# KiCad board SmallDSPMaxi.kicad_pcb (continued)
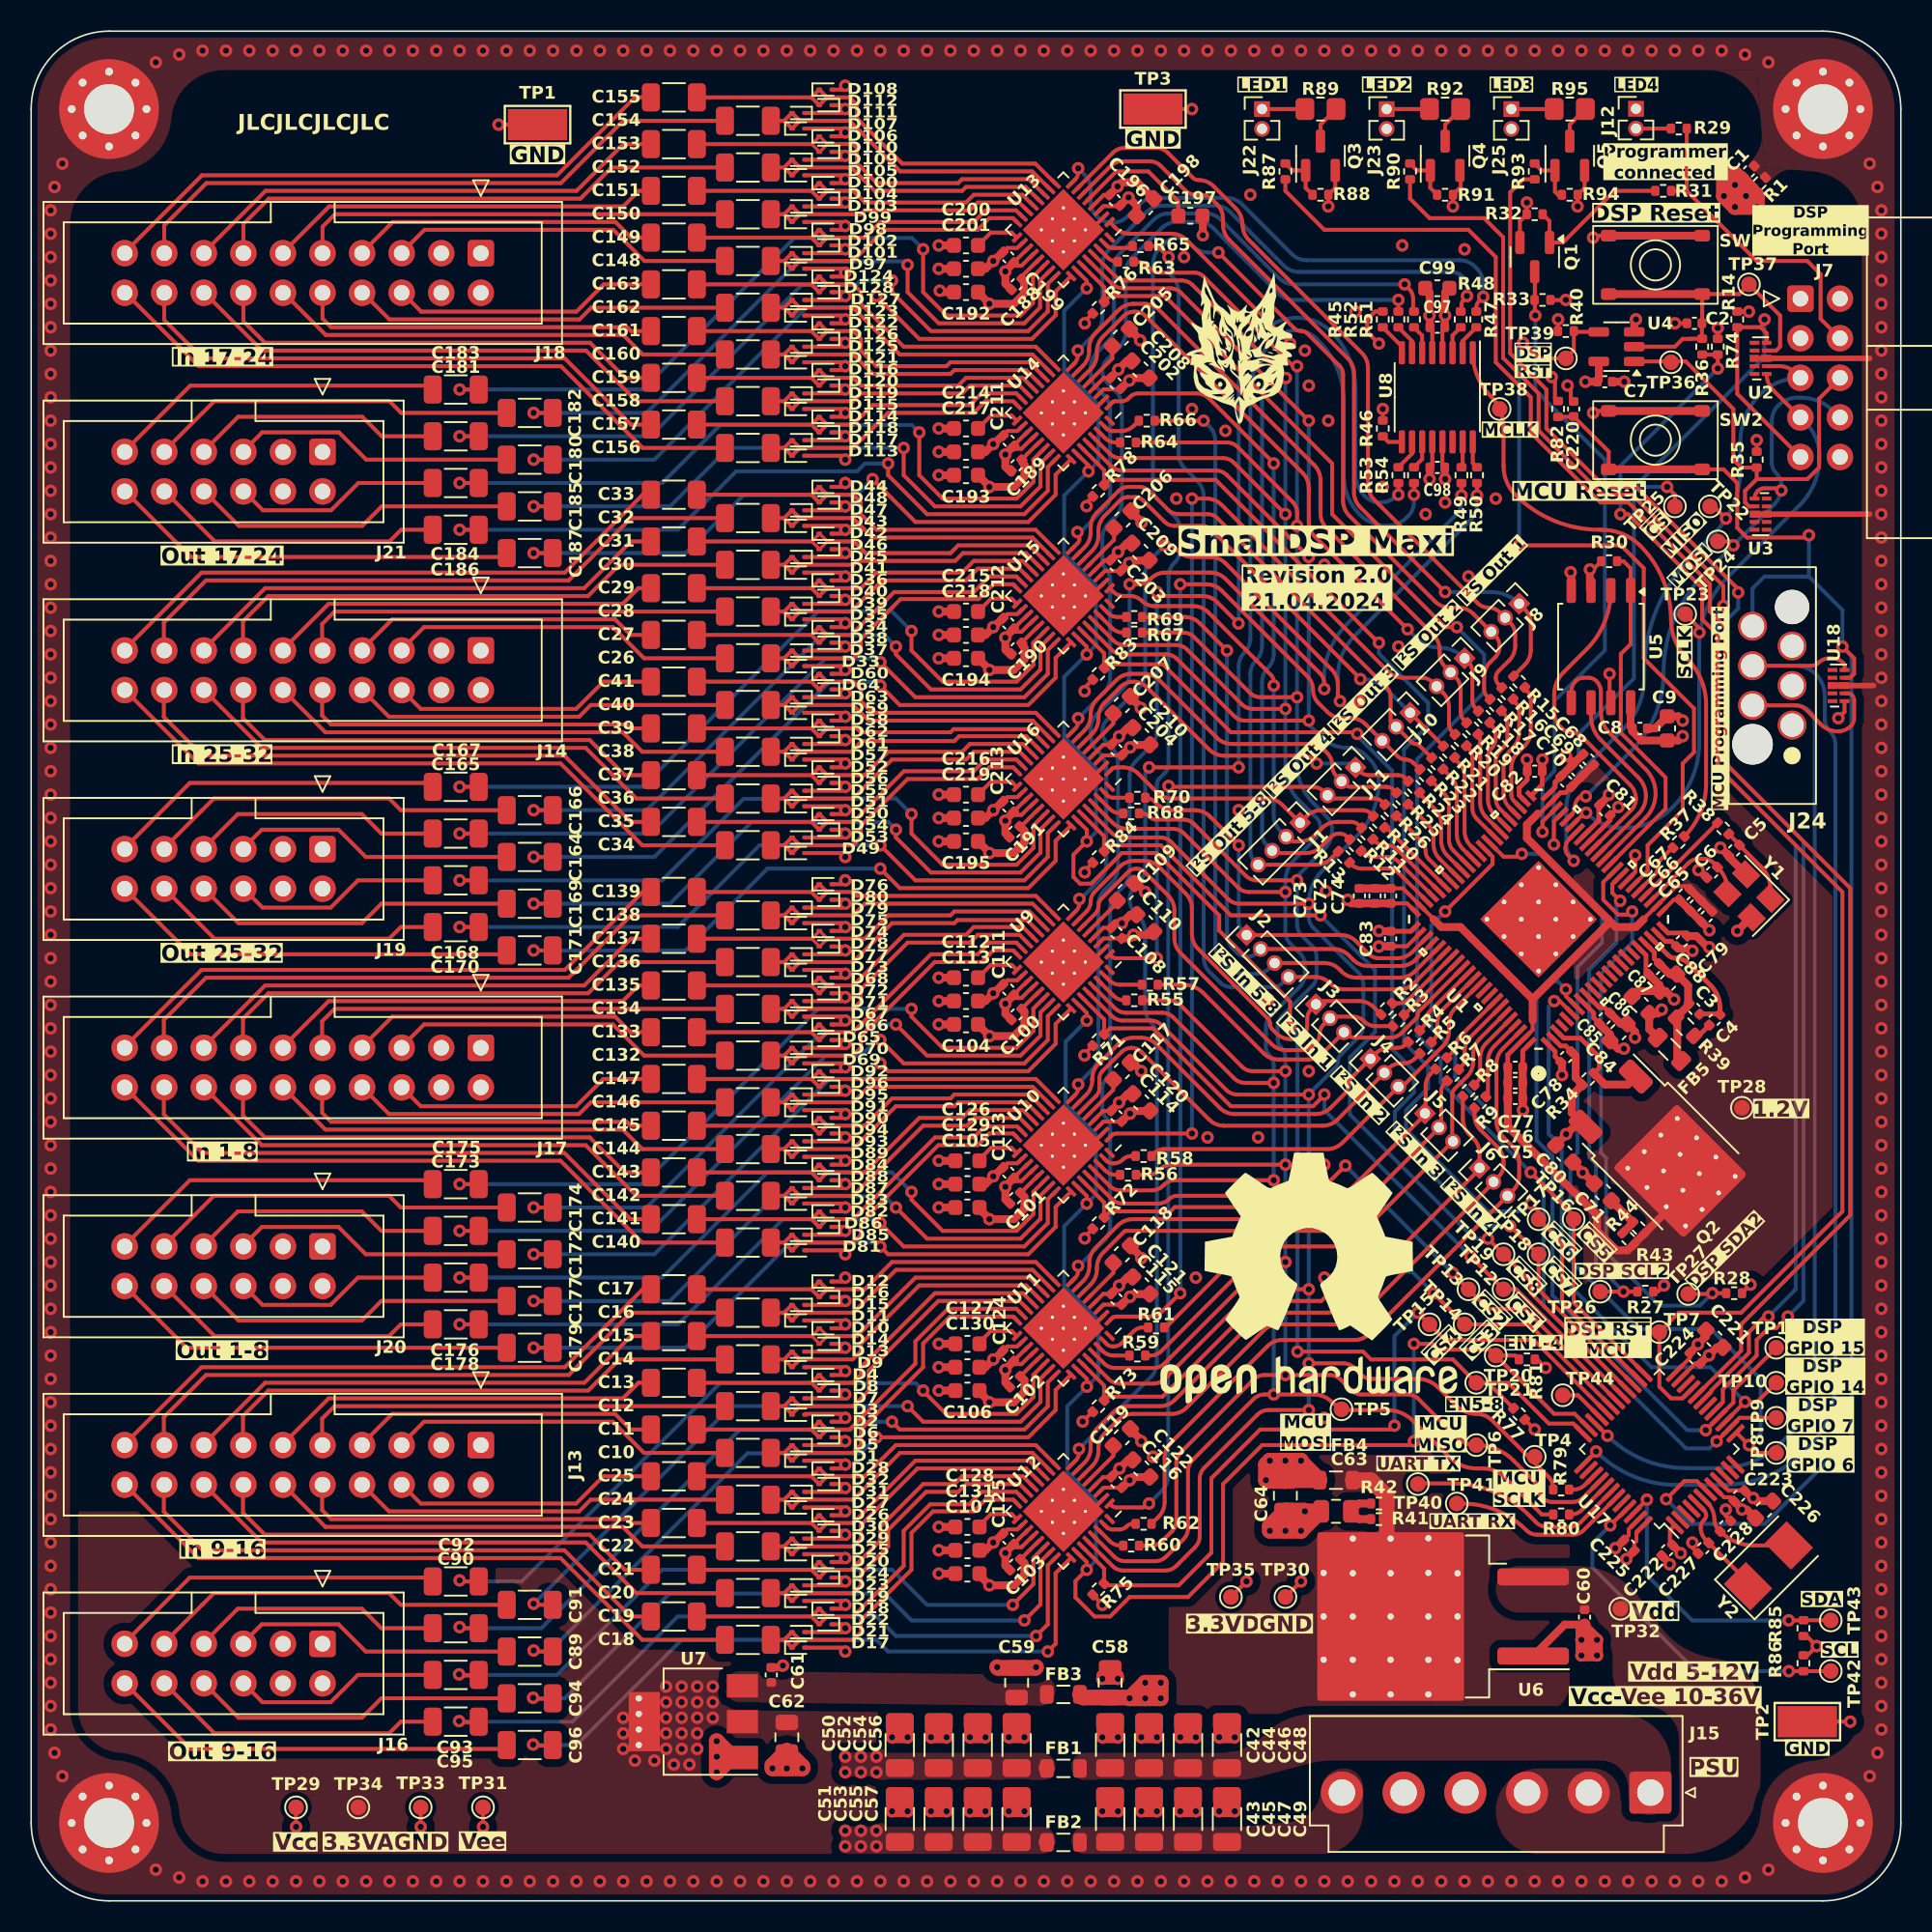
[diagram p0: board, top side]
## Routing (per net, layer and track width the routed paths; a pad name or vN(x,y) marks a point on that pad's centre or on a via; arc(x,y) is an arc through that point) (continued)
/MCU/SWDIO: length 74.4
  Top w0.25: J24.2 113.23,76.73 arc(113.61,76.65) 113.94,76.44 114.86,75.52 arc(115.36,75.18) 115.96,75.06 arc(116.41,75.15) 116.8,75.41 arc(116.95,75.63) 117,75.9 117,77.06 arc(116.96,77.24) 116.86,77.39 arc(116.74,77.47) 116.59,77.5 U18.2 ; v1(101.17,29.85) U17.34
  Bottom w0.25: J24.2 113.24,76.73 arc(113.74,76.63) 114.16,76.35 arc(114.4,76) 114.48,75.58 114.48,33.77 arc(114.08,31.74) 112.92,30.01 112.3,29.39 arc(110.51,28.2) 108.4,27.78 106.19,27.78 arc(103.47,28.31) v1(101.17,29.85)
/MCU/~{RST}: length 108.2
  Top w0.25: U17.7 106.91,26.94 106.1,26.94 v1(104.94,25.78) ; SW2.2 108.62,91.88 109.5,91 109.5,88.12 110.12,87.5 113.95,87.5 v1(114.1,87.65) ; v1(116.25,80.5) 117,79.75 117,78.75 116.75,78.5 U18.4 ; SW2.2 101.25,93.02 99.02,95.25 98.01,95.25
  Top w0.5: SW2.2 SW2.2
  Bottom w0.25: J24.6 110.48,84.23 111.25,85 114.1,85 ; v1(114.1,87.65) 114.1,85 ; 114.1,85 116.25,82.85 v1(116.25,80.5) 116.83,79.92 116.83,29.75 111.27,24.19 106.53,24.19 v1(104.94,25.78)
/PRGM MISO: length 42.9
  Top w0.25: TP22.1 107.99,89.5 v1(108.78,88.72) ; J7.5 113.22,98.08 arc(112.76,98.39) 112.21,98.5 U2.2 ; v1(99,66.75) 98.65,67.11 arc(98.52,67.3) 98.47,67.54 arc(98.54,67.87) 98.73,68.16 U1.38
  Bottom w0.25: v1(99,66.75) arc(98.65,67.29) 98.52,67.92 98.52,69.98 arc(98.81,71.43) 99.63,72.66 102.16,75.19 arc(103.17,76.71) 103.53,78.5 103.53,78.84 arc(104.34,82.93) 106.66,86.4 107.98,87.72 arc(109.25,89.63) 109.7,91.88 109.7,93.65 arc(110.03,95.29) 110.95,96.67 arc(112.15,97.47) J7.5
/PRGM MOSI: length 40
  Top w0.25: 99.52,70.89 v1(99.78,70.89) 99.47,70.89 arc(99.43,70.88) 99.4,70.86 99.3,70.76 arc(99.13,70.51) 99.07,70.21 arc(99.02,69.94) 98.87,69.72 U1.40 ; TP24.1 109,87.25 v1(109.25,87) ; v1(112.33,90.53) 112.2,90.66 111.22,90.66 arc(111.01,90.62) 110.83,90.5 110.81,90.48 arc(110.66,90.26) U3.1
  Bottom w0.25: v1(99.78,70.89) 102.68,73.79 arc(104.23,76.1) 104.77,78.83 arc(105.45,82.24) 107.38,85.13 v1(109.25,87) 111.85,89.6 arc(112.21,90.14) 112.34,90.79 arc(112.25,91.25) 111.99,91.64 arc(111.79,91.94) 111.72,92.29 111.72,94.99 arc(111.82,95.52) 112.12,95.96 arc(112.7,96.35) 113.37,96.48 113.56,96.48 arc(114.73,96.25) 115.72,95.58 J7.8
/PRGM SCLK: length 41.2
  Top w0.25: TP23.1 107.07,81.68 v1(107.07,81.41) ; U1.39 99.69,69.83 v1(99.8,69.83) ; J7.7 111.83,96.93 arc(111.5,97.42) U2.1
  Bottom w0.25: J7.7 113.87,94.89 arc(114.55,93.87) 114.79,92.68 arc(114.45,91) 113.5,89.57 108.86,84.93 arc(107.53,82.94) 107.06,80.59 107.06,74.34 arc(106.61,72.08) 105.33,70.16 arc(103.88,69.19) 102.17,68.85 arc(100.89,69.1) v1(99.8,69.83)
/~{CS Codec 1}: length 47.3
  Top w0.25: v1(83,51.75) 83,51.72 82.28,51 77,51 72,56 69.25,56 R71.2 68.86,56.58 U9.27 ; U17.29 95.31,39.25 TP12.1 v1(92.38,41.37)
  Bottom w0.25: v1(83,51.75) 83,50.75 v1(92.38,41.37)
/~{CS Codec 2}: length 43.9
  Top w0.25: v1(84.35,47.19) 83.06,45.9 83.06,45.13 82.46,44.53 73.4,44.53 73.12,44.25 69.25,44.25 R72.2 68.86,44.83 U10.27 ; v1(91.24,40.3) 91.24,40.26 TP13.1 93.5,38 95.85,38 U17.30
  Bottom w0.25: v1(84.35,47.19) v1(91.24,40.3)
/~{CS Codec 3}: length 42.5
  Top w0.25: U11.27 68.86,33.08 R73.2 69.11,32.36 72.61,32.36 78.75,38.5 82.81,38.5 v1(84.73,40.42) ; U17.31 96.15,37 TP14.1 v1(90,39)
  Bottom w0.25: v1(84.73,40.42) 84.78,40.38 88.62,40.38 v1(90,39)
/~{CS Codec 4}: length 51.1
  Top w0.25: v1(87.5,30.5) 87.25,30.25 78.88,30.25 75.75,27.12 75.75,22.35 73.65,20.25 68.97,20.25 ; v1(89,37.75) 90.75,36 96.44,36 U17.32 ; U12.27 68.86,21.33 R75.2
  Bottom w0.25: v1(89,37.75) 87.5,36.25 v1(87.5,30.5)
/~{CS Codec 5}: length 92.9
  Top w0.25: U17.25 99,38.39 TP16.1 99,44 v1(96.25,46.75) ; U13.27 68.86,103.58 R76.2 69.25,103 72.75,103 83.5,92.25 83.5,89 90.75,81.75 v1(91.5,81.75)
  Bottom w0.25: v1(96.25,46.75) 90.46,52.54 90.46,54.04 88.95,55.55 88.95,73.27 93.25,77.57 93.25,80 v1(91.5,81.75)
/~{CS Codec 6}: length 84
  Top w0.25: U14.27 68.86,91.83 R78.2 69.2,91.2 76.02,91.2 86.47,80.75 v1(86.5,80.75) ; v1(96.25,44.75) 96.75,44.25 TP17.1 98.25,42.25 98.25,38.43 U17.26
  Bottom w0.25: v1(86.5,80.75) 86.5,80.05 89.66,76.89 89.66,75.45 88.11,73.9 88.11,55.09 89.66,53.54 89.66,52.16 88.25,50.75 88.25,49.5 93.5,44.25 95.75,44.25 v1(96.25,44.75)
/~{CS Codec 7}: length 72.2
  Top w0.25: U17.27 96.75,39.22 96.75,41.48 v1(94.92,43.31) ; U15.27 68.86,80.08 R83.2 69.11,79.36 72.64,79.36 77,75 85.01,75 v1(85.11,74.9)
  Bottom w0.25: v1(85.11,74.9) 85.11,74.77 87.35,72.53 87.35,54.67 88.75,53.27 88.75,51.89 87.53,50.67 87.53,48.96 93.18,43.31 v1(94.92,43.31)
/~{CS Codec 8}: length 59.3
  Top w0.25: U16.27 68.86,68.33 R84.2 69.25,67.75 72.5,67.75 77,63.25 v1(82.75,63.25) ; v1(93.5,42.5) TP19.1 96.25,39.75 96.25,39.02 U17.28
  Bottom w0.25: v1(93.5,42.5) 92.61,42.5 84.64,50.47 84.64,54.14 86.25,55.75 86.25,59.75 v1(82.75,63.25)
/~{CS EEPROM}: length 23
  Top w0.25: U1.32 104.9,70.09 104.9,72.1 102.03,74.97 102.03,80.03 102.66,80.66 U5.1 102.66,85.52 102.2,85.98 R30.2
/~{DSP RST MCU}: length 85.8
  Top w0.25: v1(102,89) 102.5,89 107.25,84.25 107.25,82.25 108.25,81.25 108.25,72.75 116.25,64.75 116.25,44.25 109.75,37.75 105.75,37.75 TP7.1 104.5,33 105.25,32.25 105.98,32.25 U17.21 ; v1(108.25,98.35) R74.1 R36.1
  Bottom w0.25: v1(108.25,98.35) 102,92.1 v1(102,89)
/~{DSP RST PGRM}: length 26.5
  Top w0.25: 110.75,91.25 114,91.25 114.75,92 114.75,96.41 J7.6 ; 110.75,91.25 110,90.5 110,89.75 110.25,89.5 U3.2 ; 110.75,91.25 R35.1 109.76,91.99 109.25,92.5 109.25,95.75 106.2,98.8 U4.1
/~{DSP RST}: length 51.8
  Top w0.25: U4.4 99.06,100.7 R40.1 99.01,99.51 TP39.1 96.75,99 v1(95.75,100) ; v1(95.5,87) 102.03,87 103.5,85.53 103.5,79.75 106.73,76.52 106.73,73.73 106,73 106,70 103.75,67.75 103.75,66.11 U1.28
  Bottom w0.25: v1(95.5,87) 95.5,99.75 v1(95.75,100)
/~{PRGM CS}: length 58.4
  Top w0.25: J7.9 109.5,96.72 R14.2 109.51,101 111,101 ; U1.41 97.73,69.28 v1(97.73,67.8) ; U2.5 111.39,100.61 111,101 ; TP25.1 105.5,90.25 v1(105,90.75) ; 111,101 111.25,101.25 v1(111.25,101.5)
  Bottom w0.25: 102.86,90.71 102.86,78.45 99.32,74.91 99.32,73.15 97.73,71.56 v1(97.73,67.8) ; 102.86,90.71 102.9,90.75 v1(105,90.75) ; 102.86,90.71 111.25,99.1 v1(111.25,101.5)
Earth_Protective: length 17.2
  Top w0.3: U2.3 U2.8
  Top w0.35: 118,99 U2.3 ; U18.3 118.25,78 ; U3.3 118,89
  Top w0.4: U18.8 116.15,78
  vias: v1(1.25,108.5) v1(1.25,107) v1(1.25,105.5) v1(1.25,104) v1(1.25,102.5) v1(1.25,101) v1(1.25,99.5) v1(1.25,98) v1(1.25,96.5) v1(1.25,95) v1(1.25,93.5) v1(1.25,92) v1(1.25,90.5) v1(1.25,89) v1(1.25,87.5) v1(1.25,86) v1(1.25,84.5) v1(1.25,83) v1(1.25,81.5) v1(1.25,80) v1(1.25,78.5) v1(1.25,77) v1(1.25,75.5) v1(1.25,74) v1(1.25,72.5) v1(1.25,71) v1(1.25,69.5) v1(1.25,68) v1(1.25,66.5) v1(1.25,65) v1(1.25,63.5) v1(1.25,62) v1(1.25,60.5) v1(1.25,59) v1(1.25,57.5) v1(1.25,56) v1(1.25,54.5) v1(1.25,53) v1(1.25,51.5) v1(1.25,50) v1(1.25,48.5) v1(1.25,47) v1(1.25,45.5) v1(1.25,44) v1(1.25,42.5) v1(1.25,41) v1(1.25,39.5) v1(1.25,38) v1(1.25,36.5) v1(1.25,35) v1(1.25,33.5) v1(1.25,32) v1(1.25,30.5) v1(1.25,29) v1(1.25,27.5) v1(1.25,26) v1(1.25,24.5) v1(1.25,23) v1(1.25,21.5) v1(1.25,20) v1(1.25,18.5) v1(1.25,17) v1(1.25,15.5) v1(1.25,14) v1(1.25,12.5) v1(1.25,11) v1(1.5,110) v1(1.5,9.5) v1(2,111.5) v1(2,8) v1(8,118) v1(8,2) v1(9.5,118.5) v1(9.5,1.5) v1(11,118.75) v1(11,1.25) v1(12.5,118.75) v1(12.5,1.25) v1(14,118.75) v1(14,1.25) v1(15.5,118.75) v1(15.5,1.25) v1(17,118.75) v1(17,1.25) v1(18.5,118.75) v1(18.5,1.25) v1(20,118.75) v1(20,1.25) v1(21.5,118.75) v1(21.5,1.25) v1(23,118.75) v1(23,1.25) v1(24.5,118.75) v1(24.5,1.25) v1(26,118.75) v1(26,1.25) v1(27.5,118.75) v1(27.5,1.25) v1(29,118.75) v1(29,1.25) v1(30.5,118.75) v1(30.5,1.25) v1(32,118.75) v1(32,1.25) v1(33.5,118.75) v1(33.5,1.25) v1(35,118.75) v1(35,1.25) v1(36.5,118.75) v1(36.5,1.25) v1(38,118.75) v1(38,1.25) v1(39.5,118.75) v1(39.5,1.25) v1(41,118.75) v1(41,1.25) v1(42.5,118.75) v1(42.5,1.25) v1(44,118.75) v1(44,1.25) v1(45.5,118.75) v1(45.5,1.25) v1(47,118.75) v1(47,1.25) v1(48.5,118.75) v1(48.5,1.25) v1(50,118.75) v1(50,1.25) v1(51.5,118.75) v1(51.5,1.25) v1(53,118.75) v1(53,1.25) v1(54.5,118.75) v1(54.5,1.25) v1(56,118.75) v1(56,1.25) v1(57.5,118.75) v1(57.5,1.25) v1(59,118.75) v1(59,1.25) v1(60.5,118.75) v1(60.5,1.25) v1(62,118.75) v1(62,1.25) v1(63.5,118.75) v1(63.5,1.25) v1(65,118.75) v1(65,1.25) v1(66.5,118.75) v1(66.5,1.25) v1(68,118.75) v1(68,1.25) v1(69.5,118.75) v1(69.5,1.25) v1(71,118.75) v1(71,1.25) v1(72.5,118.75) v1(72.5,1.25) v1(74,118.75) v1(74,1.25) v1(75.5,118.75) v1(75.5,1.25) v1(77,118.75) v1(77,1.25) v1(78.5,118.75) v1(78.5,1.25) v1(80,118.75) v1(80,1.25) v1(81.5,118.75) v1(81.5,1.25) v1(83,118.75) v1(83,1.25) v1(84.5,118.75) v1(84.5,1.25) v1(86,118.75) v1(86,1.25) v1(87.5,118.75) v1(87.5,1.25) v1(89,118.75) v1(89,1.25) v1(90.5,118.75) v1(90.5,1.25) v1(92,118.75) v1(92,1.25) v1(93.5,118.75) v1(93.5,1.25) v1(95,118.75) v1(95,1.25) v1(96.5,118.75) v1(96.5,1.25) v1(98,118.75) v1(98,1.25) v1(99.5,118.75) v1(99.5,1.25) v1(101,118.75) v1(101,1.25) v1(102.5,118.75) v1(102.5,1.25) v1(104,118.75) v1(104,1.25) v1(105.5,118.75) v1(105.5,1.25) v1(107,118.75) v1(107,1.25) v1(108.5,118.75) v1(108.5,1.25) v1(110,118.5) v1(110,1.5) v1(111.5,118) v1(111.5,2) v1(118,111.5) v1(118,8) v1(118.5,110) v1(118.5,9.5) v1(118.75,108.5) v1(118.75,107) v1(118.75,105.5) v1(118.75,104) v1(118.75,102.5) v1(118.75,101) v1(118.75,99.5) v1(118.75,98) v1(118.75,96.5) v1(118.75,95) v1(118.75,93.5) v1(118.75,92) v1(118.75,90.5) v1(118.75,89) v1(118.75,87.5) v1(118.75,86) v1(118.75,84.5) v1(118.75,83) v1(118.75,81.5) v1(118.75,80) v1(118.75,78.5) v1(118.75,77) v1(118.75,75.5) v1(118.75,74) v1(118.75,72.5) v1(118.75,71) v1(118.75,69.5) v1(118.75,68) v1(118.75,66.5) v1(118.75,65) v1(118.75,63.5) v1(118.75,62) v1(118.75,60.5) v1(118.75,59) v1(118.75,57.5) v1(118.75,56) v1(118.75,54.5) v1(118.75,53) v1(118.75,51.5) v1(118.75,50) v1(118.75,48.5) v1(118.75,47) v1(118.75,45.5) v1(118.75,44) v1(118.75,42.5) v1(118.75,41) v1(118.75,39.5) v1(118.75,38) v1(118.75,36.5) v1(118.75,35) v1(118.75,33.5) v1(118.75,32) v1(118.75,30.5) v1(118.75,29) v1(118.75,27.5) v1(118.75,26) v1(118.75,24.5) v1(118.75,23) v1(118.75,21.5) v1(118.75,20) v1(118.75,18.5) v1(118.75,17) v1(118.75,15.5) v1(118.75,14) v1(118.75,12.5) v1(118.75,11)
Net-(C2-Pad1): length 22.5
  Top w0.25: U4.2 105.5,99.75 106,100.25 106.5,100.25 106.51,100.26 R36.2 107.23,100.28 C2.1 107.25,101.27 SW1.2 109.62,103.12 TP37.1 112.25,101.75 112.25,99.75 112,99.5 U2.4
  Top w0.5: SW1.2 SW1.2
Net-(C4-Pad2): length 1.3
  Top w0.3: R39.1 107.02,55.52 C4.2
Net-(C5-Pad1): length 5.1
  Top w0.25: R38.2 109.64,67.79 ; Y1.1 111.63,64.94 arc(111.48,65.71) 111.04,66.36 C5.1
Net-(C63-Pad1): length 3
  Top w0.5: R42.2 85.2,25.5 C63.1 85.2,24.5 R41.2
Net-(C71-Pad1): length 2.9
  Top w0.5: 102.81,43.53 R43.2 ; C71.1 R44.2
Net-(J12-Pin_2): length 2.2
  Top w0.25: R29.2 103.02,113.75 103,113.73
Net-(J22-Pin_1): length 2.7
  Top w0.25: J22.1 R89.1
Net-(J23-Pin_1): length 3
  Top w0.25: R92.1 J23.1 87.25,115
Net-(J25-Pin_1): length 2.5
  Top w0.25: 97.25,115 J25.1 ; R95.1 97.5,115
Net-(Q1-D): length 41.7
  Top w0.25: v1(97,68.61) 97,69.26 U1.42 ; v1(96.54,101.75) 96.51,101.78 96.51,104.55 Q1.3
  Bottom w0.25: v1(97,68.61) 97,71.75 97.78,72.53 97.78,77.03 101,80.25 101,92.5 96.54,96.96 v1(96.54,101.75) 96.54,102.04
Net-(Q1-G): length 10.4
  Top w0.25: 97.63,106.26 Q1.1 ; Q1.1 98.31,106.44 101.62,109.75 R31.1 ; Q1.1 97.45,107.81 R32.2
Net-(Q2-B): length 7.8
  Top w0.3: R34.2 100.64,53.45 100.64,54.16 99.43,55.37 98.37,55.37 U1.3
  Top w0.5: R34.2 101.01,52.39 102.48,52.39 Q2.1
Net-(Q3-D): length 2.5
  Top w0.25: R89.2 82.75,114 Q3.3
Net-(Q3-G): length 3.2
  Top w0.25: R88.1 81.8,109.94 Q3.1 80.95,111.06 R87.2
Net-(Q4-D): length 2.5
  Top w0.25: Q4.3 90.75,114 R92.2
Net-(Q4-G): length 3.2
  Top w0.25: R91.1 89.8,109.94 Q4.1 88.95,111.06 R90.2
Net-(Q5-D): length 2.5
  Top w0.25: Q5.3 98.75,114 R95.2
Net-(Q5-G): length 2.8
  Top w0.25: R93.2 96.95,111.06 Q5.1 ; R94.1 98,109.5 97.8,109.7 97.8,110.51
Net-(U1A-MCLK_Out): length 3.6
  Top w0.25: U1.27 104.19,65.85 arc(104.35,66.08) 104.4,66.34 104.4,66.36 arc(104.45,66.63) 104.61,66.86 105.34,67.59
Net-(U1A-PLLFlt): length 8.4
  Top w0.3: C3.2 107.1,56.92 108.36,56.92 C4.1 108.39,57.32 arc(108.24,58.09) 107.8,58.73 106.38,60.16 arc(106,60.41) 105.55,60.5 arc(105.28,60.55) 105.05,60.71 U1.20
Net-(U1A-Xtal_In): length 7.4
  Top w0.25: Y1.3 108.87,64.87 arc(108.72,65.64) 108.29,66.29 C6.1 ; U1.25 106.36,66.6 arc(106.68,66.81) 107.06,66.89 107.3,66.89 arc(107.68,66.81) 108,66.6 108.23,66.37
Net-(U1A-Xtal_Out): length 6.6
  Top w0.25: U1.26 108.23,69.18
Net-(U1B-M_SCL2): length 31.3
  Top w0.25: v1(101.99,64.19) 101.48,64.69 101.48,65.26 U1.30 ; R27.2 v1(102.2,39.1) TP26.1
  Bottom w0.25: v1(101.99,64.19) 101.75,63.95 101.75,61.5 100,59.75 100,47.72 100.43,47.3 100.43,40.87 v1(102.2,39.1)
Net-(U1B-M_SDA2): length 38.5
  Top w0.25: U1.31 100.9,65.38 100.9,64.25 101.85,63.3 102.56,63.3 v1(102.76,63.49) ; R28.2 v1(107.9,39) 107.85,38.95 106.25,38.95
  Bottom w0.25: v1(107.9,39) 107.1,38.2 104.5,38.2 101.09,41.61 101.09,47.66 100.75,48 100.75,59.5 102.76,61.51 v1(102.76,63.49)
Net-(U1C-BCLK_In0): length 4.9
  Top w0.25: R2.2 87.77,57.61 arc(88.15,57.69) 88.47,57.9 U1.73
Net-(U1C-BCLK_In1): length 4.9
  Top w0.25: U1.76 89.7,57.01 arc(89.55,56.79) 89.5,56.53 89.5,56.53 arc(89.45,56.27) 89.31,56.06 R4.2
Net-(U1C-BCLK_In2): length 4.8
  Top w0.25: R6.2 91.31,54.56 arc(91.45,54.77) 91.5,55.01 arc(91.55,55.26) 91.69,55.46 U1.81
Net-(U1C-BCLK_In3): length 5.1
  Top w0.25: R8.2 92.81,52.56 arc(92.95,52.77) 93,53.03 93,54.09 arc(93.1,54.61) 93.4,55.05 U1.84
Net-(U1C-BCLK_Out0): length 8
  Top w0.25: 95.07,77.1 95.28,76.88 arc(95.44,76.64) 95.5,76.36 95.5,74.98 arc(95.4,74.45) 95.1,74.01 94.9,73.81 arc(94.6,73.37) 94.5,72.85 94.5,71.08 arc(94.6,70.59) 94.87,70.18 U1.48
Net-(U1C-BCLK_Out1): length 6.8
  Top w0.25: 92.82,74.85 92.91,74.76 arc(92.98,74.65) 93,74.54 93,70.5 arc(93.1,69.97) 93.4,69.53 U1.51
Net-(U1C-BCLK_Out2): length 6.4
  Top w0.25: 90.65,72.6 91.1,72.15 arc(91.4,71.71) 91.5,71.19 91.5,68.46 arc(91.6,67.94) 91.9,67.5 U1.56
Net-(U1C-BCLK_Out3): length 5.7
  Top w0.25: 88.4,70.35 89.6,69.15 arc(89.9,68.71) 90,68.19 90,67.84 arc(90.1,67.32) 90.4,66.88 U1.59
Net-(U1C-LRCK_In0): length 4.7
  Top w0.25: U1.74 88.14,56.86
Net-(U1C-LRCK_In1): length 5.1
  Top w0.25: U1.77 90.65,57.25 arc(90.35,56.81) 90.25,56.29 90.25,55.78 arc(90.2,55.52) 90.06,55.31 R5.2
Net-(U1C-LRCK_In2): length 5
  Top w0.25: R7.2 91.81,53.56 arc(91.95,53.77) 92,54.03 92,54.5 arc(92.1,55.03) 92.4,55.47 U1.82
Net-(U1C-LRCK_In3): length 5.3
  Top w0.25: U1.85 93.9,54.85 arc(93.6,54.4) 93.5,53.88 93.5,51.85 arc(93.48,51.76) 93.43,51.68 R9.2
Net-(U1C-LRCK_Out0): length 8.5
  Top w0.25: U1.47 95.15,70.61 arc(95.04,70.78) 95,70.98 95,72.71 arc(95.1,73.23) 95.4,73.67 95.85,74.13 arc(96.15,74.57) 96.25,75.09 96.25,77.11 arc(96.19,77.39) 96.03,77.63 95.82,77.85
Net-(U1C-LRCK_Out1): length 7.2
  Top w0.25: U1.50 93.9,69.74 arc(93.6,70.18) 93.5,70.7 93.5,73.4 arc(93.56,73.72) 93.75,74 arc(93.94,74.28) 94,74.6 94,74.86 arc(93.94,75.14) 93.78,75.38 93.57,75.6
Net-(U1C-LRCK_Out2): length 6.7
  Top w0.25: U1.55 92.4,67.71 arc(92.1,68.15) 92,68.67 92,72.18 arc(91.91,72.63) 91.66,73.01 91.32,73.35
Net-(U1C-LRCK_Out3): length 6
  Top w0.25: U1.58 90.9,67.08 arc(90.6,67.53) 90.5,68.05 90.5,69.1 arc(90.4,69.62) 90.1,70.06 89.07,71.1
Net-(U1C-SDATA_IO4): length 5.9
  Top w0.25: U1.64 87.78,65.96 arc(87.46,66.17) 87.08,66.25 85.41,66.25 arc(85.03,66.33) 84.71,66.54 R13.2
Net-(U1C-SDATA_IO5): length 5.7
  Top w0.25: U1.63 87.74,66.71 arc(87.42,66.92) 87.03,67 86.16,67 arc(85.78,67.08) 85.46,67.29 R12.2
Net-(U1C-SDATA_IO6): length 5.5
  Top w0.25: R11.2 86.21,68.04 arc(86.53,67.83) 86.91,67.75 86.99,67.75 arc(87.37,67.67) 87.7,67.46 U1.62
Net-(U1C-SDATA_IO7): length 5.3
  Top w0.25: U1.61 86.97,68.89
Net-(U1C-SDATA_Out0): length 7.7
  Top w0.25: R17.1 94.46,76.29 arc(94.67,75.97) 94.75,75.59 94.75,74.71 arc(94.67,74.33) 94.46,74.01 94.29,73.84 arc(94.08,73.52) 94,73.13 94,70.76 arc(94.08,70.38) 94.29,70.05 U1.49
Net-(U1C-SDATA_Out1): length 6.5
  Top w0.25: U1.52 92.79,69.43 arc(92.58,69.76) 92.5,70.14 92.5,73.34 arc(92.42,73.72) 92.21,74.04 R20.1
Net-(U1C-SDATA_Out2): length 6.3
  Top w0.25: R23.1 90.71,71.04 arc(90.92,70.72) 91,70.34 91,68.1 arc(91.08,67.72) 91.29,67.4 U1.57
Net-(U1C-SDATA_Out3): length 5.6
  Top w0.25: R26.1 89.21,68.04 arc(89.42,67.72) 89.5,67.34 arc(89.55,67.09) 89.69,66.88 U1.60
Net-(U6-OUT): length 6.3
  Top w1: FB4.1 85.99,27 87.01,25.98 R42.1 R41.1 87.01,22.28
Net-(U8-CLK_A1): length 2
  Top w0.25: U8.2 91.88,100.12 R47.1
Net-(U8-CLK_A2): length 1.8
  Top w0.25: U8.3 91.22,100.47 R48.1
Net-(U8-CLK_A4): length 1.6
  Top w0.25: U8.15 91.88,92.08
Net-(U8-CLK_B1): length 1.8
  Top w0.25: U8.6 89.28,100.47 R51.1
Net-(U8-CLK_B2): length 2
  Top w0.25: U8.7 88.62,100.12 R52.1
Net-(U8-CLK_B3): length 2
  Top w0.25: U8.10 88.62,92.89 R53.1
Net-(U8-CLK_B4): length 1.8
  Top w0.25: R54.1 89.28,92.53 U8.11
Net-(U8-CLK_Out): length 1.7
  Top w0.25: U8.16 92.53,92.28 R50.1
Net-(U8-S1): length 1.4
  Top w0.25: R46.2 87.1,93.64 U8.9
Net-(U8-S2): length 1.7
  Top w0.25: 87.97,99.77 R45.2
Net-(U9B-SDA): length 2.3
  Top w0.25: U9.30 69.47,58.09 arc(69.79,57.88) 70.17,57.8 R55.2
Net-(U9B-SDO_1): length 2.6
  Top w0.25: U9.31 69.17,59.1 arc(69.5,58.88) 69.89,58.8 R57.1
Net-(U9C-LDO_Bypass): length 2.7
  Top w0.25: U9.5 69.7,64.06
Net-(U9C-Vcom): length 2.9
  Top w0.25: 60.77,59.25 61.6,60.07 62.93,60.07 63.25,59.76
Net-(U10B-SDA): length 1.6
  Top w0.25: R56.2 69.62,46.6 arc(69.24,46.68) 68.92,46.89 U10.30
Net-(U10B-SDO_1): length 2.3
  Top w0.25: R58.1 70.59,47.8 arc(70.31,47.74) 70.08,47.59 70.05,47.56 arc(69.8,47.39) 69.5,47.33 69.41,47.33 arc(69.2,47.38) 69.02,47.49 U10.31
Net-(U10C-LDO_Bypass): length 3
  Top w0.25: C117.1 69.45,52.06 U10.5
Net-(U10C-Vcom): length 2.9
  Top w0.25: 60.77,47.5 61.6,48.32 62.93,48.32 63.25,48.01
Net-(U11B-SDA): length 2.2
  Top w0.25: R59.2 69.47,35 arc(69.09,35.08) 68.77,35.29 U11.30
Net-(U11B-SDO_1): length 3.4
  Top w0.25: U11.31 69.02,35.74 arc(69.2,35.63) 69.41,35.58 69.48,35.58 arc(69.76,35.64) 70,35.8 70.76,36.56 arc(71.03,36.74) 71.34,36.8 R61.1
Net-(U11C-LDO_Bypass): length 3
  Top w0.25: U11.5 69.45,40.31 C118.1
Net-(U11C-Vcom): length 2.9
  Top w0.25: 63.25,36.26 62.93,36.57 61.6,36.57 60.77,35.75
Net-(U12B-SDA): length 1.9
  Top w0.25: R60.2 69.92,22.8 arc(69.54,22.88) 69.22,23.09 U12.30
Net-(U12B-SDO_1): length 2.2
  Top w0.25: R62.1 70.68,24.2 arc(70.49,24.16) 70.33,24.05 70.3,24.02 arc(70.09,23.88) 69.86,23.83 69.41,23.83 arc(69.2,23.88) 69.02,23.99 U12.31
Net-(U12C-LDO_Bypass): length 3
  Top w0.25: C119.1 69.45,28.56 U12.5
Net-(U12C-Vcom): length 2.9
  Top w0.25: 60.78,24 61.6,24.82 62.93,24.82 63.25,24.51
Net-(U13B-SDA): length 1.5
  Top w0.25: U13.30 69.09,105.47 arc(69.39,105.27) R63.2
Net-(U13B-SDO_1): length 1.8
  Top w0.25: 70.57,106.08 69.41,106.08 arc(69.2,106.13) 69.02,106.24 U13.31
Net-(U13C-LDO_Bypass): length 8.3
  Top w0.25: C197.1 73.62,109.08 71.7,111 69.65,111 U13.5
Net-(U13C-Vcom): length 2.9
  Top w0.25: C200.1 61.6,107.07 62.93,107.07 63.25,106.76
Net-(U14B-SDA): length 1.6
  Top w0.25: R64.2 69.62,93.6 arc(69.24,93.68) 68.92,93.89 U14.30
Net-(U14B-SDO_1): length 2.6
  Top w0.25: U14.31 69.02,94.49 arc(69.2,94.38) 69.41,94.33 69.95,94.33 arc(70.39,94.42) 70.76,94.67 R66.1
Net-(U14C-LDO_Bypass): length 3
  Top w0.25: U14.5 69.39,99 C205.1
Net-(U14C-Vcom): length 2.9
  Top w0.25: C214.1 61.6,95.32 62.93,95.32 63.25,95.01
Net-(U15B-SDA): length 2.2
  Top w0.25: U15.30 69.37,81.69 arc(69.69,81.48) 70.07,81.4 R67.2
Net-(U15B-SDO_1): length 1.6
  Top w0.25: U15.31 69.12,82.65 arc(69.39,82.47) 69.72,82.4 R69.1
Net-(U15C-LDO_Bypass): length 3.2
  Top w0.25: C206.1 69.5,87.35 U15.5
Net-(U15C-Vcom): length 2.9
  Top w0.25: 63.25,83.26 62.93,83.57 61.6,83.57 C215.1
Net-(U16B-SDA): length 1.9
  Top w0.25: U16.30 69.22,70.09 arc(69.54,69.88) 69.92,69.8 R68.2
Net-(U16B-SDO_1): length 1.7
  Top w0.25: U16.31 69.04,70.98 arc(69.24,70.85) 69.47,70.8 R70.1
Net-(U16C-LDO_Bypass): length 3
  Top w0.25: U16.5 69.45,75.56 C207.1
Net-(U16C-Vcom): length 2.9
  Top w0.25: 63.25,71.51 62.93,71.82 61.6,71.82 60.77,71
Net-(U17-PA12/USART1_RTS): length 2.9
  Top w0.25: U17.33 99.28,32.45 TP44.1
Net-(U17-PB3/SPI1_SCLK): length 1.9
  Top w0.25: R79.2 99.01,26.4 arc(99.39,26.48) 99.72,26.69 U17.39
Net-(U17-PB5/SPI1_MOSI): length 3
  Top w0.25: U17.41 99.53,25.09 arc(99.21,24.88) 98.83,24.8 R80.2
Net-(U17-PB6/USART1_TX): length 14.1
  Top w0.25: U17.42 99.44,24.29 arc(99.11,24.08) 98.73,24 97.3,24 arc(96.91,24.08) 96.59,24.29 96.14,24.74 arc(93.87,26.26) 91.2,26.79 89.04,26.79 TP40.1
Net-(U17-PB7/USART1_RX): length 11.7
  Top w0.25: TP41.1 91.84,25.5 arc(94.07,25.06) 95.96,23.79 arc(96.28,23.58) 96.66,23.5 98.94,23.5 arc(99.32,23.58) 99.65,23.79 U17.43
Net-(U17-PF0/XTAL_In): length 6.9
  Top w0.25: Y2.1 110.19,20.45 C227.1 107.48,23.16 arc(107.24,23.53) 107.15,23.96 arc(107.2,24.21) 107.34,24.42 107.39,24.46 arc(107.47,24.59) 107.51,24.75 arc(107.47,24.92) 107.37,25.07 U17.5
Net-(U17-PF1/XTAL_Out): length 7.2
  Top w0.25: U17.6 107.57,25.58 arc(107.91,25.06) 108.04,24.45 arc(108.1,24.11) 108.3,23.82 C228.1 arc(109.4,23.04) 110.58,22.81 Y2.2

## Copper pours and planes (outline as drawn; the poured copper is in the pictures)
+1V2 on Top, Bottom: 117,37.5 99,37.5 99,73.5 117,73.5
+3V3 on In2.Cu: 120,120 120,0 67.4,0 67.4,120
+3V3A on Top, Bottom: 54.25,12.5 54.25,3 0,3 0,25 39.75,25 39.75,16 65.75,16 65.75,12.25
+3V3A on In2.Cu: 64,120 64.25,12.75 50.25,12.75 50.25,7.75 32.75,7.75 32.8,120
+5V on Top: 102,5 102,8.5 94,8.5 94,3 111,3 111,15 105.75,16 101.75,21.5 94,21.5 94,18.5 101.5,18.5 101.5,12.5 105.75,12.5 105.75,5
+5V on In2.Cu: 102,3 102,8.5 94,8.5 94,5 82,5 82,15 70,15 70,12.25 78,12.25 78,3
/Power/Vcc PSU on Top: 66.75,9.5 78,9.5 80.5,12 105.25,12 105.25,5.5 102.5,5.5 102.5,9 82.75,9 78,7.75 66.75,7.75
/Power/Vee PSU on Top: 66.75,3 85.5,3 85.5,8.5 83,8.5 82.5,5.25 77.75,4.75 66.75,4.75
GND on Bottom: 68.75,60 66.25,62.5 66.25,69.5 68.75,72 68.75,107 66.25,109.5 66.25,117 32.75,117 32.75,19.5 68.75,19.5
GND on Bottom: 97,48.25 90,48.25 90,76.75 93.5,80 98,84.5 103.25,84.5 104.75,83 104.75,77.75 100.75,77.75 100.75,61.5 97,57.75
GND on In1.Cu: 66.2,63.8 70,60.2 66.2,56.4 62.6,60.2
GND on In1.Cu: 66.2,87.4 70,83.8 66.2,80 62.6,83.8
GND on In1.Cu: 66.2,52 70,48.4 66.2,44.6 62.6,48.4
GND on In1.Cu: 66.2,99.2 70,95.6 66.2,91.8 62.6,95.6
GND on In1.Cu: 66.2,111 62.4,107.2 66.2,103.4 70.2,107.4
GND on In1.Cu: 96.8,71 88.8,63 96.8,55 104.8,63
GND on In1.Cu: 86,9.25 86,5 94,5 94,9.25
GND on In1.Cu: 66.2,40.4 70,36.8 66.2,33 62.6,36.8
GND on In1.Cu: 66.2,28.8 70,25.2 66.2,21.4 62.6,25.2
GND on In1.Cu: 66.2,75.6 70,72 66.2,68.2 62.6,72
GND on In1.Cu: 0,120 0,0 120,0 120,120
GND on In2.Cu: 71.25,110 94.25,110 94.25,102.5 85.5,102.5 85.75,91.5 90,91.5 90,90.25 91.5,90.25 91.5,90.75 96.5,90.75 96.5,83 86.75,73.25 86.75,62 85.75,62 85.75,54.75 83.5,51.5 83.5,30.5 73.5,30.5 73.5,25 71.25,25
VCC on Top: 65.75,7.75 65.75,9.5 54.75,9.5 54.75,9.75 51.5,9.75 51.5,7.75
VCC on In2.Cu: 57,12.25 57,3 3,3 3,120 32,120 32.25,12.25
VEE on Top: 65.75,3 65.75,4.75 54.75,4.75 54.75,5 51.5,5 51.5,3
VEE on Bottom: 56.75,7.25 57,3 3,3 3,117 32,117 32,7.25
Earth_Protective on Top: 111,114.5 111.15,112.5 109.8,111 110.97,109.83 112.48,111.14 114.5,111
Earth_Protective on Top: 114.38,111 114.73,110.95 115.08,110.87 115.42,110.74 115.75,110.59 116.06,110.39 116.34,110.17 116.6,109.92 116.83,109.64 117.03,109.34 117.2,109.02 117.33,108.68 117.42,108.33 117.48,107.98 117.5,107.62 117.5,110.75
Earth_Protective on Top: 111,114.38 110.95,114.73 110.87,115.08 110.74,115.42 110.59,115.75 110.39,116.06 110.17,116.34 109.92,116.6 109.64,116.83 109.34,117.03 109.02,117.2 108.68,117.33 108.33,117.42 107.98,117.48 107.62,117.5 110.75,117.5
Earth_Protective on Top, Bottom, In1.Cu, In2.Cu: 120,120 0,120 0,0 102.5,0 102.5,2.5 9.25,2.5 8.75,8.75 2.5,9.25 2.5,110.75 8.75,111.25 9.25,117.5 110.75,117.5 111.25,111.25 117.5,110.75 117.5,9.25 111.25,8.75 110.75,2.5 102.5,2.5 102.5,0 120,0
Net-(U6-OUT) on Top, Bottom: 73,12 73,60.75 98.75,60.5 98.75,12
Net-(U7-VI) on Top: 44.5,14.75 65.75,14.5 65.75,12.5 44.5,12.75

## Text on the board
B.Silkscreen: Vee   GND   L13+ L13- R13+ R13- L14+ L14- R14+ R14- | Vcc   GND   R16- R16+ L16- L16+ R15- R15+ L15- L15+ | Vee   GND   L9+   L9-   R9+   R9-   L10+ L10- R10+ R10- | Vcc   GND   R12- R12+ L12- L12+ R11- R11+ L11- L11+ | SDATA | C | A | BCLK | LRCK | 5 | 6 | 7 | 8 | Vee GND R6   L6   R5   L5 | Vee GND R2   L2   R1   L1 | Vcc GND L7   R7   L8   R8 | Vee GND R14 L14 R13 L13 | Vcc GND L15 R15 L16 R16 | Vcc GND L3   R3   L4   R4 | Vcc GND L11 R11 L12 R12 | Vee GND R10 L10 R9  L9 | Vee GND L1+ L1- R1+ R1- L2+ L2- R2+ R2- | Vcc GND R4- R4+ L4- L4+ R3- R3+ L3- L3+ | Vee GND L5+ L5- R5+ R5- L6+ L6- R6+ R6- | Vcc GND R8- R8+ L8- L8+ R7- R7+ L7- L7+ | GND GND 3.3V / ~{RST} SWC SWD | NC 5VUSB ~{RST} MOSI GND / NC    NC  MISO SCLK    ~{CS} | Vcc   Vdd   Vdd   GND  GND   Vee
F.Silkscreen: ~{DSP} / ~{RST} | DSP / Programming / Port | MCU Programming Port | LED3 | LED4 | ~{CS1} | EN5-8 | EN1-4 | ~{CS4} | ~{CS3} | ~{CS} | MISO | MOSI | SCLK | ~{CS2} | ~{CS8} | ~{CS6} | ~{CS7} | ~{CS5} | LED1 | MCU / MOSI | LED2 | UART TX | MCU / MISO | UART RX | MCLK | MCU / SCLK | ~{DSP RST} / ~{MCU} | DSP SCL2 | Programmer / connected | GND | DSP / GPIO 7 | DSP / GPIO 6 | SDA | DSP / GPIO 15 | DSP / GPIO 14 | SCL | I²S Out 5-8 | I²S Out 4 | I²S Out 3 | I²S Out 2 | I²S Out 1 | DSP SDA2 | I²S In 5-8 | I²S In 1 | I²S In 2 | I²S In 3 | I²S In 4 | JLCJLCJLCJLC | In 17-24 | Out 17-24 | In 25-32 | Out 25-32 | In 1-8 | Out 1-8 | In 9-16 | Out 9-16 | Vcc | 3.3VA | Vee | 3.3VD | MCU Reset | DSP Reset | Vdd | Vcc-Vee 10-36V | Vdd 5-12V | PSU | 1.2V | Revision 2.0 / 21.04.2024 | SmallDSP Maxi
